# KiCad board 8851_HW-U1-VCU118_REV2-0_071417.kicad_pcb (continued)
## Routing (per net, layer and track width the routed paths; a pad name or vN(x,y) marks a point on that pad's centre or on a via; arc(x,y) is an arc through that point) (continued)
  BOTTOM w0.15: R91.2 48.6,144.63 48.99,144.23 50.09,144.23 51.05,144.23 v3(51.28,144)
QSFP2_INTL: length 16.4
  TOP w0.138: v3(53.4,50.7) 53.4,50.42 52.79,49.81 51.16,49.81
  BOTTOM w0.15: v3(53.4,50.7) 53.94,51.24 54.71,51.24 55.12,50.84 55.12,49.49 56.98,47.63 57.46,47.63 58.04,48.2 59.57,48.2 59.93,48.56 59.93,50.15 58.81,51.27 58.81,52.33
QSFP2_INTL_LS: length 206.9
  TOP w0.15: v2(129.17,41.18) 126.27,38.29 94.29,38.29 88.31,32.31 83.32,32.31 81.9,30.88 75.78,30.88 72.96,28.07 67.55,28.07 65.48,30.14 65.48,35.82 64.47,36.83 38.14,36.83 v3(37.83,36.52) ; 128.68,62.35 v2(129.17,61.85)
  07_SIG3 w0.17: v3(60.94,65.58) 60.94,66.36 60.34,66.96 53.07,66.96 48.99,71.04 44.63,71.04 42.81,69.22 39.8,69.22 37.46,71.56 34.94,71.56 34.43,71.04 31.98,71.04 v3(31.74,70.8)
  14_SIG4 w0.087: v2(129.17,41.18) 129.74,41.75 129.74,44.33 129.47,44.6 128.97,44.6 128.78,44.79 128.78,46.57 128.74,46.61 128.74,48.52 128.78,48.56 128.78,61.47 v2(129.17,61.85) ; v3(37.83,36.52) 37.18,36.52 30.42,43.28 30.42,69.48 v3(31.74,70.8)
  BOTTOM w0.15: v3(60.94,65.58) 60.94,64.98 60.69,64.73 60.69,61.88 58.81,60 58.81,58.08
QSFP2_LPMODE: length 11.9
  TOP w0.138: 51.16,52.17 53.4,52.17 53.67,52.45 54.15,52.45 v3(54.6,52.9)
  18_SIG6 w0.087: v3(54.6,52.9) 55.1,52.4 56.92,52.4 v3(59.17,54.65)
  BOTTOM w0.15: 59.45,52.33 59.45,54.37 v3(59.17,54.65)
QSFP2_LPMODE_LS: length 210.1
  TOP w0.15: v3(37.84,37.41) 64.51,37.41 65.83,36.1 65.83,30.29 67.69,28.42 72.51,28.42 75.46,31.38 81.6,31.38 83.06,32.84 88.25,32.84 94.14,38.73 125.73,38.73 v2(128.19,41.18) ; 128.68,65.3 v2(129.17,65.79)
  07_SIG3 w0.17: v3(31.62,72.05) 32.04,71.63 34.18,71.63 35.23,72.67 41.2,72.67 42.24,71.63 49.23,71.63 52.67,68.19 60.04,68.19 61.87,66.36 v3(61.87,65.12)
  14_SIG4 w0.087: v2(129.17,65.79) 128.68,65.3 128.68,62.23 128.61,62.16 128.61,48.64 128.57,48.6 128.57,46.54 128.61,46.5 128.61,41.61 v2(128.19,41.18) ; v3(31.62,72.05) 32.43,71.24 32.43,70.61 30.95,69.13 30.95,43.66 37.19,37.41 v3(37.84,37.41)
  BOTTOM w0.15: 59.45,58.08 59.45,59.93 61.17,61.65 61.17,64.37 61.87,65.07 v3(61.87,65.12)
QSFP2_MODPRSL: length 21.3
  TOP w0.138: v3(54.4,50.7) 53.9,50.2 53.73,50.2 52.83,49.3 52.52,49.3 52.25,49.02 51.16,49.02
  18_SIG6 w0.087: v3(54.4,50.7) 53.73,51.38 53.73,53.08 54.15,53.5 54.88,53.5 55.46,52.91 56.61,52.91 57.45,53.75 57.45,54.85 v3(57.16,55.14)
  BOTTOM w0.15: 58.17,52.33 58.17,54.13 v3(57.16,55.14) ; 57.46,46.5 56.99,46.97 56.99,47.07 54.4,49.67 v3(54.4,50.7)
QSFP2_MODPRSL_LS: length 118.9
  TOP w0.15: v2(126.22,65.79) 125.73,65.3
  14_SIG4 w0.087: v2(126.22,65.79) 126.22,64.82 125.72,64.33 125.72,63.58 125.47,63.32 124.96,63.32 124.74,63.1 124.74,62.65 124.53,62.44 123.99,62.44 123.65,62.11 123.65,61.69 123.32,61.36 123.08,61.36 122.79,61.07 122.79,60.67 122.67,60.56 122.67,51.69 122.49,51.51 122.06,51.51 121.79,51.23 121.79,50.7 121.63,50.54 121.09,50.54 120.81,50.27 120.81,49.79 120.57,49.54 120.06,49.54 119.82,49.31 119.82,45.92 119.81,45.91 119.81,45.9 119.53,45.62 119.52,45.62 119.51,45.61 119.13,45.61 118.84,45.32 118.84,43.8 118.69,43.65 118.15,43.65 117.86,43.35 117.86,42.65 v2(118.34,42.17)
  18_SIG6 w0.087: v3(59.8,65.95) 59.8,64.65 61.32,63.13 61.32,46.76 61.6,46.48 v3(61.6,45.55)
  BOTTOM w0.15: 58.17,58.08 58.17,60.03 60.29,62.16 60.29,65.46 v3(59.8,65.95) ; v2(118.34,42.17) 117.8,41.62 94.83,41.62 90.91,45.55 v3(61.6,45.55)
QSFP2_MODSELL: length 14
  TOP w0.138: 48.69,51.78 v3(47.3,51.78)
  05_SIG2 w0.17: v3(47.3,51.78) 52.95,51.78 53.52,52.35 55.91,52.35 56.48,51.78 v3(56.48,50.67)
  BOTTOM w0.138: v3(56.48,50.67) 56.89,51.09 56.89,52.33
QSFP2_MODSELL_LS: length 139.2
  TOP w0.15: v2(120.31,41.18) 119.84,41.66 118.65,41.66 118.4,41.4 85.04,41.4 82.16,38.53 66.03,38.53 61.77,42.79 54.03,42.79 53.86,42.96 53.09,42.96 52.59,42.46 v3(52.12,42.46) ; v2(126.22,63.82) 125.73,64.31
  14_SIG4 w0.087: v2(120.31,41.18) 119.82,41.67 119.06,41.67 118.83,41.9 118.83,43.42 119.09,43.68 119.6,43.68 119.82,43.9 119.82,45.32 120.11,45.62 120.52,45.62 120.8,45.9 120.8,45.97 120.8,45.97 120.8,49.23 120.81,49.24 120.81,49.26 121.09,49.55 121.59,49.55 121.79,49.75 121.79,49.84 121.79,49.84 121.79,50.25 121.79,50.25 121.79,50.31 122.02,50.53 122.66,50.53 122.76,50.63 122.76,51.36 122.87,51.47 122.87,60.22 123.03,60.38 123.53,60.38 123.66,60.51 123.66,61.41 123.85,61.6 123.85,62.03 124.07,62.25 124.68,62.25 124.88,62.44 125.59,62.44 125.72,62.58 125.72,63.03 126.22,63.52 v2(126.22,63.82)
  BOTTOM w0.15: v3(52.12,42.46) 51.19,42.46 49.89,43.77 49.89,58.42 56.87,65.4 58.65,65.4 59.34,64.71 59.34,63.88 59.07,63.6 59.07,62.72 59.07,62.21 56.89,60.04 56.89,58.08
QSFP2_RECCLK_C_N: length 2.5
  TOP w0.102: C1581.2 79.57,24.38 79.73,24.38 79.85,24.26 79.85,24.08 80.07,23.86 80.31,23.86 80.44,23.73 81.08,23.73
QSFP2_RECCLK_C_P: length 2.5
  TOP w0.102: C1580.2 79.57,24.6 79.83,24.6 80.08,24.35 80.08,24.17 80.16,24.08 80.31,24.08 80.44,24.22 81.08,24.22
QSFP2_RECCLK_N: length 100.3
  TOP w0.102: v3(75.99,24.27) 76.26,24 78.06,24 C1581.1 ; 126.71,63.33 v2(127.2,62.84)
  16_SIG5 w0.075: 114.85,40.84 114.85,40.86 114.81,40.9 114.81,41.58 115.02,41.79 115.02,43.74 114.98,43.78 114.98,45.48 114.99,45.49 114.99,46.82 115.02,46.85 115.02,48.59 115,48.61 115,55.27 115.08,55.36 115.66,55.36 116,55.7 116,63.43 117.02,64.46 126.37,64.46 126.62,64.21 126.62,63.5 126.87,63.24 127.11,63.24 127.2,63.15 v2(127.2,62.84)
  16_SIG5 w0.087: 114.85,40.84 114.85,38.35 113.14,36.65 113.14,28 111.69,26.54 111.69,22.96 108.81,20.09 103.59,20.09 101.87,18.38 91.37,18.38 90.82,18.92 86.89,18.92 86.31,19.51 79.98,19.51 78.14,21.35 78.14,23.86 77.44,24.56 76.28,24.56 v3(75.99,24.27)
QSFP2_RECCLK_P: length 100.2
  TOP w0.102: C1580.1 78.06,24.98 76.26,24.98 v3(75.99,25.25) ; v2(127.2,63.82) 126.71,64.31
  16_SIG5 w0.075: v2(127.2,63.82) 127.2,63.51 127.13,63.44 126.95,63.44 126.81,63.58 126.81,64.29 126.45,64.65 116.94,64.65 115.8,63.51 115.8,55.78 115.58,55.55 115,55.55 114.8,55.35 114.8,48.53 114.82,48.51 114.82,46.93 114.79,46.9 114.79,45.57 114.78,45.56 114.78,43.7 114.82,43.66 114.82,41.87 114.61,41.66 114.61,40.9 114.57,40.86 114.57,40.84
  16_SIG5 w0.087: v3(75.99,25.25) 76.41,24.83 77.55,24.83 78.41,23.97 78.41,21.46 80.09,19.78 86.42,19.78 87,19.2 90.93,19.2 91.48,18.65 101.76,18.65 103.47,20.36 108.7,20.36 111.41,23.08 111.41,26.66 112.87,28.11 112.87,36.76 114.57,38.46 114.57,40.84
QSFP2_RESETL_LS: length 262.4
  TOP w0.15: v3(168.7,29) 168.2,29.5 151.82,29.5 149.16,32.16 143.87,32.16 142.48,30.77 142.48,29.21 141.72,28.45 140.65,28.45 137.88,25.68 134.95,25.68 134.52,26.11 132.98,26.11 131.24,27.86 131.24,32.18 128.8,34.62 127.2,34.62 125.38,36.44 124.61,36.44 123.87,35.7 121.14,35.7 118.24,32.8 116.28,32.8 115.62,32.15 115.62,29.43 115.3,29.1 113.67,29.1 113.17,29.6 111.75,29.6 110.88,28.73 v3(109.14,28.73) ; 132.62,63.33 v2(133.11,62.84)
  14_SIG4 w0.087: v3(109.14,28.73) 107.75,27.35 105.38,27.35 104.53,26.5 100.87,26.5 96.33,21.95 92.96,21.95 92.26,22.65 88.26,22.65 86.4,20.79 79.48,20.79 78.17,22.1 75.88,22.1 75.11,21.34 70.59,21.34 69.6,20.35 66.42,20.35 65.98,20.8 65.98,21.87 65.1,22.75 65.1,23.97 64.08,24.99 64.08,29.09 60.81,32.36 59.98,32.36 58.53,33.81 58.53,35.34 57.32,36.55 53.29,36.55 53,36.84 51.33,38.52 51.33,42.73 53.23,44.63 53.23,46.75 52.1,47.87 52.1,57.27 51.15,58.23 51.15,66.7 51.73,67.29 55.82,67.29 v3(56.78,66.33)
  16_SIG5 w0.087: v3(168.7,29) 166.69,29 165.85,29.85 165.85,32.48 165.18,33.14 151.97,33.14 142.18,42.93 142.18,46.21 139.92,48.48 135.83,48.48 135.47,48.84 135.47,49.24 135.24,49.47 132.88,49.47 132.52,49.83 132.52,52.29 132.81,52.58 133.32,52.58 133.5,52.75 133.5,62.46 133.12,62.84 v2(133.11,62.84)
  BOTTOM w0.15: 57.53,58.08 57.53,60 59.86,62.33 59.86,64.89 58.75,66 57.11,66 v3(56.78,66.33)
  vias: v5(55.79,56.26)
QSFP2_RX1_N: length 78
  TOP w0.102: v5(45.65,43.9) 45.73,43.83 arc(45.87,43.74) 46.02,43.7 46.65,43.7 arc(46.75,43.73) 46.84,43.78 47.2,44.14 arc(47.24,44.18) 47.3,44.2 arc(47.31,44.2) 47.33,44.2 47.36,44.2 arc(47.37,44.2) 47.38,44.2 arc(47.41,44.19) 47.44,44.18 47.44,44.18 arc(47.46,44.17) 47.47,44.16 47.67,43.95 arc(47.72,43.92) 47.78,43.9 48.69,43.9
  TOP w0.113: v2(108.5,42.17) 108.99,42.66
  05_SIG2 w0.107: v2(108.5,42.17) 108.5,42.43 arc(108.46,42.52) 108.37,42.56 108.26,42.56 arc(108.15,42.52) 108.11,42.41 108.11,41.29 arc(108.06,41.03) 107.91,40.81 107.9,40.8 107.81,40.72 107.71,40.62 arc(107.66,40.54) 107.64,40.44
  05_SIG2 w0.15: 107.64,40.44 107.57,40.37 arc(107.37,40.07) 107.3,39.72 arc(107.3,39.61) 107.28,39.49 arc(107.14,39.06) 106.87,38.69 106.55,38.37 arc(103.26,36.17) 99.37,35.4 95.5,35.4 arc(92.57,34.81) 90.09,33.16 88.5,31.57 arc(87.42,30.85) 86.14,30.59 84.52,30.59 arc(83.63,30.77) 82.88,31.27 arc(82.38,31.6) 81.8,31.72 68.96,31.72 arc(67.08,32.09) 65.48,33.16 62.1,36.54 arc(60.37,37.7) 58.32,38.11 56.06,38.11 arc(55.02,38.31) 54.14,38.9 50.57,42.47 arc(50.24,42.69) 49.84,42.77 48.24,42.77 arc(47.88,42.84) 47.58,43.05 arc(47.37,43.35) 47.3,43.71 47.3,43.96 arc(47.26,44.06) 47.16,44.1 arc(47.07,44.08) 47,44.03 46.87,43.9 arc(46.26,43.65) v5(45.65,43.9)
QSFP2_RX1_P: length 84.4
  TOP w0.102: 48.69,44.69 47.78,44.69 arc(47.73,44.68) 47.69,44.65 47.48,44.45 arc(47.46,44.43) 47.42,44.42 47.26,44.42 arc(47.23,44.43) 47.2,44.45 46.84,44.8 arc(46.75,44.87) 46.63,44.89 45.98,44.89 arc(45.86,44.87) 45.77,44.81 v5(45.65,44.69)
  TOP w0.113: v2(108.5,43.15) 108.99,43.64
  05_SIG2 w0.107: 107.39,40.72 107.41,40.74 107.43,40.74 arc(107.48,40.74) 107.53,40.75 arc(107.56,40.77) 107.59,40.79 107.77,40.95 arc(107.87,41.1) 107.91,41.29 107.91,42.41 arc(108.01,42.66) 108.26,42.76 108.39,42.76 arc(108.39,42.76) 108.39,42.76 arc(108.47,42.79) 108.5,42.87 v2(108.5,43.15)
  05_SIG2 w0.15: 107.39,40.72 107.3,40.63 arc(109.4,39.23) 106.92,39.72 arc(106.92,39.64) 106.91,39.55 arc(106.81,39.23) 106.61,38.95 106.29,38.64 arc(103.12,36.52) 99.37,35.77 95.5,35.77 arc(92.43,35.16) 89.82,33.42 88.24,31.83 arc(87.28,31.19) 86.14,30.97 84.52,30.97 arc(83.78,31.11) 83.15,31.54 83.15,31.54 arc(82.53,31.95) 81.8,32.09 68.96,32.09 arc(67.22,32.44) 65.74,33.43 62.37,36.8 arc(60.51,38.04) 58.32,38.48 56.06,38.48 arc(55.16,38.66) 54.41,39.16 50.84,42.73 arc(50.38,43.04) 49.84,43.15 49.56,43.15 arc(49.62,43.28) 49.49,43.22 arc(49.47,43.26) 49.44,43.28 49.09,43.28 arc(49.05,43.26) 49.04,43.22 arc(49.02,43.17) 48.96,43.15 48.24,43.15 arc(48.02,43.19) 47.84,43.31 arc(47.72,43.5) 47.67,43.71 47.67,44.04 arc(47.55,44.35) 47.24,44.47 arc(47.08,44.5) 46.94,44.6 46.84,44.69 arc(46.25,44.94) v5(45.65,44.69)
QSFP2_RX2_N: length 75.3
  TOP w0.102: 51.16,44.3 52.07,44.3 arc(52.17,44.32) 52.25,44.37 52.4,44.53 arc(52.48,44.58) 52.58,44.6 52.71,44.6 arc(52.81,44.58) 52.89,44.52 arc(53.05,44.42) 53.24,44.38 53.98,44.38 arc(54.15,44.34) 54.3,44.25 54.48,44.07 arc(54.54,44.03) 54.61,44.01 55.46,44.01 arc(55.57,44.03) v5(55.66,44.1)
  TOP w0.113: v2(107.52,44.14) 108.01,44.63
  05_SIG2 w0.107: v2(107.52,44.14) 107.52,44.42 arc(107.49,44.5) 107.41,44.53 107.29,44.53 arc(107.18,44.48) 107.13,44.37 107.13,41.89 arc(107.15,41.79) 107.21,41.71
  05_SIG2 w0.15: 107.21,41.71 107.21,41.61 arc(107.16,41.39) 107.03,41.19 106.39,40.55 106.38,40.55 106.35,40.5 arc(106.34,40.5) 106.34,40.49 106.21,40.39 106.21,40.39 arc(105.97,40.11) 105.78,39.8 arc(105.51,39.37) 105.19,38.99 arc(104.95,38.76) 104.7,38.54 arc(102.17,37.06) 99.29,36.55 95.32,36.55 arc(92.09,35.91) 89.35,34.07 88.54,33.27 arc(87.63,32.66) 86.55,32.44 85.19,32.44 arc(84.22,32.63) 83.41,33.18 arc(82.95,33.49) 82.4,33.6 67.47,33.6 arc(66.81,33.73) 66.24,34.11 59.23,41.12 59.19,41.16 58.05,42.3 57.73,42.62 arc(59.34,43.69) 57.44,43.31 57.44,44.19 arc(57.4,44.28) 57.31,44.32 57.07,44.32 arc(57.03,44.31) 57,44.3 56.97,44.26 arc(57.33,44.16) 56.95,44.19 56.95,44.19 arc(56.87,43.98) 56.66,43.9 56.13,43.9 arc(55.88,43.95) v5(55.66,44.1)
QSFP2_RX2_P: length 72.9
  TOP w0.102: 51.16,45.09 51.96,45.09 arc(52.1,45.06) 52.22,44.98 52.29,44.91 arc(52.38,44.85) 52.5,44.82 52.71,44.82 arc(52.89,44.79) 53.05,44.68 arc(53.14,44.62) 53.24,44.6 54.01,44.6 arc(54.13,44.62) 54.22,44.69 54.45,44.91 arc(54.5,44.95) 54.57,44.97 55.46,44.97 arc(55.57,44.94) v5(55.66,44.88)
  TOP w0.113: v2(107.52,45.12) 108.01,45.61
  05_SIG2 w0.107: v2(107.52,45.12) 107.52,44.84 arc(107.49,44.76) 107.41,44.73 107.29,44.73 arc(107.04,44.62) 106.93,44.37 106.93,41.85 arc(106.9,41.72) 106.83,41.61
  05_SIG2 w0.15: v5(55.66,44.88) arc(55.84,45.01) 56.06,45.05 56.71,45.05 arc(56.92,44.97) 57,44.76 arc(57.12,44.79) 57.02,44.71 arc(57.04,44.7) 57.07,44.7 57.31,44.7 arc(57.67,44.55) 57.82,44.19 57.82,43.31 arc(58.99,43.55) 58,42.88 58.32,42.56 arc(58.37,42.54) 58.43,42.56 arc(58.55,42.62) 58.68,42.56 58.85,42.39 arc(58.91,42.27) 58.85,42.14 arc(58.99,42.08) 58.85,42.03 66.51,34.37 arc(66.95,34.08) 67.47,33.97 82.4,33.97 arc(83.09,33.83) 83.67,33.45 arc(84.37,32.98) 85.19,32.82 86.55,32.82 arc(87.48,33) 88.28,33.54 89.08,34.34 arc(91.95,36.25) 95.32,36.92 99.29,36.92 arc(102.04,37.42) 104.46,38.83 arc(104.69,39.04) 104.92,39.26 arc(105.21,39.6) 105.45,39.98 arc(105.67,40.33) 105.94,40.65 arc(105.96,40.67) 105.97,40.68 105.97,40.68 106.09,40.78 106.26,40.94 106.26,40.94 106.77,41.46 arc(106.82,41.53) 106.83,41.61
QSFP2_RX3_N: length 93.1
  TOP w0.102: 48.69,46.27 47.78,46.27 arc(47.72,46.28) 47.67,46.31 47.47,46.52 arc(47.46,46.53) 47.44,46.54 arc(47.44,46.54) 47.44,46.54 47.44,46.54 arc(47.41,46.55) 47.38,46.56 arc(47.37,46.56) 47.36,46.56 47.33,46.56 arc(47.31,46.56) 47.3,46.56 arc(47.24,46.54) 47.2,46.51 46.84,46.15 arc(46.75,46.09) 46.65,46.07 46.02,46.07 arc(45.87,46.1) 45.73,46.19 v5(45.65,46.27)
  TOP w0.113: v2(106.53,42.17) 107.02,42.66
  05_SIG2 w0.107: 102.73,41.06 102.75,41.08 arc(103.32,40.97) 102.84,41.29 103.11,41.57 arc(103.18,41.67) 103.2,41.78 103.2,43.4 arc(103.24,43.5) 103.35,43.55 104.8,43.55 arc(104.91,43.5) 104.96,43.38 104.96,42.86 arc(105.47,43.07) 105.26,42.56 106.42,42.56 arc(106.5,42.53) 106.53,42.45 v2(106.53,42.17)
  05_SIG2 w0.15: 102.73,41.06 101.89,40.22 arc(100.41,39.23) 98.66,38.89 81.38,38.89 arc(81.02,38.82) 80.71,38.61 80.7,38.6 arc(80.49,38.46) 80.24,38.41 67.16,38.41 arc(65.8,38.68) 64.64,39.45 61.32,42.77 arc(66.23,46.05) 60.44,44.9 60.44,45.54 arc(60.26,46.44) 59.75,47.2 58.3,48.66 arc(57.4,49.26) 56.33,49.47 50.22,49.47 arc(49.71,49.37) 49.27,49.08 47.84,47.65 arc(47.72,47.46) 47.67,47.25 47.67,46.92 arc(47.55,46.61) 47.24,46.49 arc(47.08,46.45) 46.94,46.36 46.84,46.27 arc(46.25,46.02) v5(45.65,46.27)
QSFP2_RX3_P: length 77.2
  TOP w0.102: v5(45.65,47.05) 45.77,47.17 arc(45.86,47.23) 45.98,47.25 46.63,47.25 arc(46.75,47.23) 46.84,47.17 47.2,46.81 arc(47.23,46.79) 47.26,46.78 47.42,46.78 arc(47.46,46.79) 47.48,46.81 47.69,47.01 arc(47.73,47.04) 47.78,47.05 48.69,47.05
  TOP w0.113: v2(106.53,43.15) 107.02,43.64
  05_SIG2 w0.107: v2(106.53,43.15) 106.53,42.87 arc(106.5,42.79) 106.42,42.76 105.26,42.76 arc(105.33,42.93) 105.16,42.86 105.16,43.38 arc(105.05,43.64) 104.8,43.75 103.35,43.75 arc(103.1,43.64) 103,43.4 103,41.78 arc(102.99,41.74) 102.97,41.71 102.68,41.42 arc(102.58,41.35) 102.46,41.33
  05_SIG2 w0.15: 102.46,41.33 101.62,40.49 arc(100.27,39.58) 98.66,39.26 81.38,39.26 arc(80.87,39.16) 80.45,38.88 80.43,38.86 arc(80.35,38.8) 80.24,38.78 67.16,38.78 arc(65.94,39.03) 64.91,39.72 61.59,43.04 arc(61.02,43.89) 60.82,44.9 60.82,45.54 arc(60.61,46.58) 60.02,47.47 58.57,48.92 arc(57.54,49.61) 56.33,49.85 50.22,49.85 arc(49.56,49.72) 49.01,49.34 48.81,49.15 arc(48.74,49.12) 48.67,49.15 arc(48.6,49.18) 48.52,49.15 48.03,48.66 arc(48.21,48.58) 48.03,48.51 arc(48.06,48.44) 48.03,48.37 47.58,47.91 arc(47.37,47.61) 47.3,47.25 47.3,47 arc(47.26,46.9) 47.16,46.86 arc(47.07,46.88) 47,46.93 46.87,47.05 arc(46.26,47.31) v5(45.65,47.05)
QSFP2_RX4_N: length 91.6
  TOP w0.102: 51.16,46.66 52.09,46.66 arc(52.13,46.67) 52.17,46.7 52.39,46.92 arc(52.48,46.98) 52.59,47 52.81,47 arc(52.9,46.98) 52.98,46.93 53.05,46.86 arc(53.18,46.77) 53.34,46.74 54.02,46.74 arc(54.2,46.7) 54.36,46.6 54.49,46.46 arc(54.59,46.4) 54.71,46.38 55.46,46.38 arc(55.57,46.4) v5(55.66,46.46)
  TOP w0.113: v2(104.56,42.17) 105.06,42.66
  TOP w0.3: v3(54.27,51.82) 53.84,51.39 51.16,51.39
  05_SIG2 w0.107: 104.27,41.44 104.27,41.47 104.26,41.47 arc(104.2,41.56) 104.18,41.67 104.18,42.39 arc(104.23,42.51) 104.35,42.56 104.46,42.56 arc(104.53,42.53) 104.56,42.45 v2(104.56,42.17)
  05_SIG2 w0.15: 104.27,41.44 104.27,40.72 arc(104.2,40.41) 104.03,40.14 103.12,39.24 arc(101.43,38.11) 99.43,37.71 82.14,37.71 arc(81.83,37.65) 81.57,37.47 arc(81.39,37.35) 81.18,37.31 66.58,37.31 arc(65.22,37.58) 64.07,38.35 59.71,42.71 arc(59.16,43.38) 58.75,44.15 arc(67.22,46.72) 58.41,45.85 58.41,46.01 arc(58.24,46.46) 57.81,46.68 arc(57.77,46.68) 57.74,46.68 57.14,46.68 arc(57.07,46.67) 57,46.62 arc(56.98,46.59) 56.97,46.55 arc(56.89,46.36) 56.69,46.28 56.1,46.28 arc(55.86,46.32) v5(55.66,46.46)
  BOTTOM w0.375: 53.44,51.82 v3(54.27,51.82)
QSFP2_RX4_P: length 63.8
  TOP w0.102: 51.16,47.45 52.1,47.45 arc(52.17,47.44) 52.23,47.4 52.31,47.31 arc(52.41,47.25) 52.53,47.22 52.81,47.22 arc(52.99,47.19) 53.14,47.09 53.21,47.02 arc(53.27,46.98) 53.34,46.96 54.01,46.96 arc(54.22,47.01) 54.39,47.12 54.44,47.17 arc(54.62,47.29) 54.82,47.33 55.46,47.33 arc(55.57,47.31) v5(55.66,47.25)
  TOP w0.113: v2(104.56,43.15) 105.06,43.64
  05_SIG2 w0.107: v2(104.56,43.15) 104.56,42.87 arc(104.53,42.79) 104.46,42.76 104.35,42.76 arc(104.09,42.65) 103.98,42.39 103.98,41.65 arc(103.96,41.54) 103.89,41.44
  05_SIG2 w0.15: 103.89,41.44 103.89,40.72 arc(103.86,40.55) 103.76,40.41 103.48,40.13 arc(103.38,40.09) 103.28,40.13 arc(103.18,40.17) 103.08,40.13 102.86,39.91 arc(103.1,39.81) 102.86,39.71 arc(102.9,39.61) 102.86,39.5 arc(101.28,38.45) 99.43,38.08 82.14,38.08 arc(81.69,37.99) 81.31,37.74 arc(81.25,37.7) 81.18,37.69 66.58,37.69 arc(65.36,37.93) 64.34,38.62 59.98,42.97 arc(59.47,43.59) 59.1,44.29 arc(58.87,45.06) 58.79,45.85 58.79,46.01 arc(58.52,46.71) 57.85,47.05 arc(57.84,47.06) 57.84,47.06 57.06,47.06 arc(57.13,47.22) 56.97,47.15 arc(56.89,47.35) 56.69,47.43 56.1,47.43 arc(55.86,47.38) v5(55.66,47.25)
QSFP2_TX1_N: length 91.9
  TOP w0.102: 51.16,56.9 52.03,56.9 arc(52.1,56.88) 52.15,56.85 52.37,56.63 arc(52.43,56.59) 52.5,56.57 52.76,56.57 arc(52.84,56.59) 52.91,56.63 arc(53.03,56.72) 53.18,56.75 54.25,56.75 arc(54.5,56.7) 54.72,56.55 54.78,56.49 arc(54.9,56.41) 55.03,56.39 55.08,56.39 arc(55.12,56.39) 55.15,56.41 55.42,56.68 arc(55.48,56.72) 55.54,56.74 56.43,56.74 arc(56.54,56.71) v5(56.63,56.65)
  TOP w0.113: v2(103.58,45.12) 104.07,45.61
  03_SIG1 w0.107: v2(103.58,45.12) 103.58,45.41 arc(103.61,45.48) 103.69,45.51 103.79,45.51 arc(103.92,45.46) 103.97,45.34 103.97,41.87 arc(103.95,41.78) 103.91,41.71 103.87,41.68
  03_SIG1 w0.15: v5(56.63,56.65) arc(56.82,56.78) 57.05,56.83 57.35,56.83 arc(57.65,56.76) 57.91,56.59 58.39,56.11 arc(58.57,55.84) 58.63,55.52 58.63,46.8 arc(65.76,48.22) 59.72,44.18 65.04,38.86 arc(65.77,38.37) 66.64,38.2 81.05,38.2 arc(81.47,38.28) 81.84,38.52 82.43,39.12 arc(82.91,39.44) 83.47,39.55 101.91,39.55 arc(102.18,39.6) 102.4,39.75 102.53,39.88 arc(102.61,40.09) 102.53,40.3 102.47,40.36 arc(102.89,40.36) 102.89,40.78 102.97,40.71 arc(103.16,40.63) 103.36,40.71 103.55,40.9 arc(103.79,41.26) 103.87,41.68
QSFP2_TX1_P: length 95.7
  TOP w0.102: 51.16,56.11 52.06,56.11 arc(52.18,56.13) 52.27,56.2 52.37,56.29 arc(52.43,56.33) 52.5,56.35 52.76,56.35 arc(52.93,56.38) 53.07,56.48 arc(53.12,56.51) 53.18,56.52 54.25,56.52 arc(54.42,56.49) 54.56,56.39 54.64,56.31 arc(54.81,56.2) 55,56.16 55.02,56.16 arc(55.12,56.14) 55.2,56.09 55.45,55.84 arc(55.51,55.8) 55.58,55.78 56.43,55.78 arc(56.54,55.8) v5(56.63,55.87)
  TOP w0.113: v2(103.58,46.11) 104.07,46.6
  03_SIG1 w0.107: v2(103.58,46.11) 103.58,45.82 arc(103.76,45.9) 103.69,45.71 103.79,45.71 arc(104.06,45.6) 104.17,45.34 104.17,41.86 arc(104.68,41.96) 104.25,41.68
  03_SIG1 w0.15: v5(56.63,55.87) arc(56.79,55.76) 56.97,55.72 57.91,55.72 arc(58.02,55.7) 58.1,55.65 arc(58.22,55.48) 58.26,55.28 58.26,46.8 arc(66.11,48.36) 59.45,43.91 60.14,43.22 arc(60.19,43.11) 60.14,42.99 arc(60.42,42.87) 60.14,42.76 60.33,42.57 arc(60.45,42.52) 60.57,42.57 arc(60.68,42.61) 60.8,42.57 64.77,38.59 arc(65.63,38.02) 66.64,37.82 81.05,37.82 arc(81.62,37.93) 82.1,38.26 82.7,38.85 arc(83.05,39.09) 83.47,39.17 101.91,39.17 arc(102.32,39.25) 102.66,39.48 103.62,40.44 103.82,40.64 arc(104.14,41.12) 104.25,41.68
QSFP2_TX2_N: length 87.1
  TOP w0.102: v5(45.65,56.5) 45.77,56.62 arc(45.86,56.68) 45.98,56.7 46.63,56.7 arc(46.75,56.68) 46.84,56.62 47.2,56.26 arc(47.23,56.24) 47.26,56.23 47.42,56.23 arc(47.46,56.24) 47.48,56.26 47.69,56.46 arc(47.73,56.49) 47.78,56.5 48.69,56.5
  TOP w0.113: v2(102.6,47.09) 103.09,47.58
  03_SIG1 w0.107: v2(102.6,47.09) 102.6,47.37 arc(102.63,47.45) 102.7,47.48 102.81,47.48 arc(103.08,47.59) 103.19,47.86 103.19,48.28 arc(103.07,48.55) 102.8,48.67 101.36,48.67 arc(101.12,48.56) 101.02,48.32 101.02,41.94 arc(101,41.85) 100.95,41.77 100.93,41.75
  03_SIG1 w0.15: 100.93,41.75 100.93,41.02 arc(100.84,40.79) 100.61,40.7 83.94,40.7 arc(82.88,40.91) 81.98,41.51 81.4,42.09 arc(81.06,42.32) 80.65,42.4 66.32,42.4 arc(66.1,42.45) 65.91,42.57 60.64,47.84 arc(60.21,48.49) 60.05,49.26 60.05,55.18 arc(59.89,56.01) 59.42,56.71 58.38,57.75 arc(57.58,58.28) 56.63,58.47 49.6,58.47 arc(48.87,58.33) 48.24,57.91 47.52,57.19 arc(48.69,56.4) 47.31,56.68 47.31,56.42 arc(47.26,56.31) 47.15,56.26 47.12,56.26 arc(47.08,56.26) 47.05,56.28 47.04,56.29 arc(46.98,56.35) 46.91,56.41 46.86,56.46 arc(46.66,56.6) 46.41,56.65 46,56.65 arc(45.81,56.61) v5(45.65,56.5)
QSFP2_TX2_P: length 98.5
  TOP w0.102: v5(45.65,55.72) 45.73,55.64 arc(45.87,55.55) 46.02,55.52 46.65,55.52 arc(46.75,55.54) 46.84,55.59 47.2,55.96 arc(47.24,55.99) 47.3,56.01 arc(47.31,56.01) 47.33,56.01 47.36,56.01 arc(47.37,56.01) 47.38,56.01 arc(47.41,56) 47.44,55.99 47.44,55.99 arc(47.44,55.99) 47.44,55.99 arc(47.46,55.98) 47.47,55.97 47.67,55.76 arc(47.72,55.73) 47.78,55.72 48.69,55.72
  TOP w0.113: v2(102.6,48.07) 103.09,48.57
  03_SIG1 w0.107: 101.31,41.75 101.29,41.77 arc(101.68,42.03) 101.22,41.94 101.22,48.32 arc(101.26,48.42) 101.36,48.47 102.8,48.47 arc(102.93,48.41) 102.99,48.28 102.99,47.86 arc(102.94,47.73) 102.81,47.68 102.7,47.68 arc(102.78,47.86) 102.6,47.79 v2(102.6,48.07)
  03_SIG1 w0.15: 101.31,41.75 101.31,41.02 arc(101.11,40.53) 100.61,40.32 83.94,40.32 arc(82.74,40.56) 81.72,41.25 81.14,41.83 arc(80.91,41.98) 80.65,42.03 66.32,42.03 arc(65.95,42.1) 65.64,42.31 60.38,47.58 arc(64.25,50.17) 59.68,49.26 59.68,55.18 arc(59.54,55.86) 59.15,56.45 58.12,57.48 arc(57.44,57.94) 56.63,58.1 51.14,58.1 arc(51.05,58.06) 51.02,57.97 arc(50.97,57.85) 50.84,57.8 50.3,57.8 arc(50.42,58.1) 50.12,57.97 arc(50.08,58.06) 49.99,58.1 49.6,58.1 arc(49.01,57.98) 48.5,57.64 47.78,56.92 arc(48.34,56.55) 47.68,56.68 47.68,56.45 arc(47.52,56.05) 47.12,55.88 47.1,55.88 arc(47.02,55.87) 46.95,55.82 46.79,55.66 arc(46.68,55.58) 46.54,55.56 46.04,55.56 arc(45.83,55.6) v5(45.65,55.72)
QSFP2_TX3_N: length 82.3
  TOP w0.102: 51.16,54.53 51.93,54.53 arc(52.08,54.51) 52.2,54.42 52.3,54.32 arc(52.35,54.28) 52.41,54.27 53.24,54.27 arc(53.31,54.26) 53.38,54.21 53.38,54.21 arc(53.42,54.18) 53.47,54.17 53.48,54.17 arc(53.49,54.17) 53.49,54.17 54.4,54.17 54.4,54.17 arc(54.52,54.19) 54.61,54.25 54.84,54.48 arc(54.89,54.52) 54.96,54.53 55.85,54.53 arc(55.96,54.51) v5(56.05,54.45)
  TOP w0.113: v2(101.61,45.12) 102.1,45.61
  03_SIG1 w0.107: v2(101.61,45.12) 101.61,45.41 arc(101.64,45.48) 101.72,45.51 101.83,45.51 arc(102.09,45.62) 102.2,45.89 102.2,46.2 arc(102.29,46.41) 102.5,46.5 104.7,46.5 arc(104.88,46.42) 104.96,46.24 104.96,40.97 arc(104.94,40.9) 104.9,40.84 104.86,40.8
  03_SIG1 w0.15: v5(56.05,54.45) 56.18,54.58 57.01,54.58 arc(57.21,54.54) 57.38,54.42 arc(57.45,54.31) 57.48,54.18 57.48,43.84 arc(57.54,43.52) 57.72,43.25 66.7,34.26 arc(67.22,33.91) 67.84,33.79 79.71,33.79 arc(80.12,33.87) 80.46,34.1 83.86,37.5 arc(84.83,38.15) 85.98,38.38 101.78,38.38 arc(102.66,38.55) 103.41,39.05 104.65,40.29 arc(104.81,40.52) 104.86,40.8
QSFP2_TX3_P: length 106.8
  TOP w0.102: 51.16,53.75 51.91,53.75 arc(52.04,53.77) 52.15,53.85 52.27,53.97 arc(52.36,54.03) 52.46,54.05 53.15,54.05 arc(53.22,54.03) 53.28,53.99 53.29,53.99 arc(53.34,53.95) 53.4,53.94 53.49,53.94 arc(53.49,53.94) 53.49,53.94 54.39,53.94 arc(54.55,53.9) 54.69,53.81 54.87,53.63 arc(54.93,53.59) 55,53.58 55.85,53.58 arc(55.96,53.6) v5(56.05,53.66)
  TOP w0.113: v2(101.61,46.11) 102.1,46.6
  TOP w0.138: 48.69,50.99 v3(47.3,50.99)
  03_SIG1 w0.107: v2(101.61,46.11) 101.61,45.82 arc(101.79,45.9) 101.72,45.71 101.83,45.71 arc(101.95,45.76) 102,45.89 102,46.2 arc(102.15,46.55) 102.5,46.7 104.7,46.7 arc(105.02,46.57) 105.16,46.24 105.16,40.97 arc(105.17,40.88) 105.22,40.82 105.24,40.8
  03_SIG1 w0.15: v5(56.05,53.66) 56.24,53.47 56.68,53.47 arc(56.82,53.45) 56.94,53.37 arc(57.02,53.26) 57.08,53.14 arc(57.1,53.08) 57.1,53.02 57.1,43.84 arc(59.43,44.3) 57.46,42.98 66.44,34 arc(67.08,33.57) 67.84,33.42 79.71,33.42 arc(80.26,33.53) 80.73,33.84 84.12,37.23 arc(84.98,37.8) 85.98,38 101.78,38 arc(102.81,38.21) 103.68,38.79 104.92,40.03 arc(105.15,40.38) 105.24,40.8
  05_SIG2 w0.17: v3(55.73,55.25) 54.24,53.76 52.63,53.76 51.66,52.79 47.96,52.79 47.48,53.27 47,53.27 46.53,52.81 46.53,51.37 46.91,50.99 v3(47.3,50.99)
  BOTTOM w0.15: 57.53,52.33 57.53,54.14 57.02,54.65 56.75,54.65 56.17,55.22 55.75,55.22 v3(55.73,55.25)
